# Altium PCB EDA-03518-V3-0_pcb.pcbdoc (part 8 of 14) (continued)
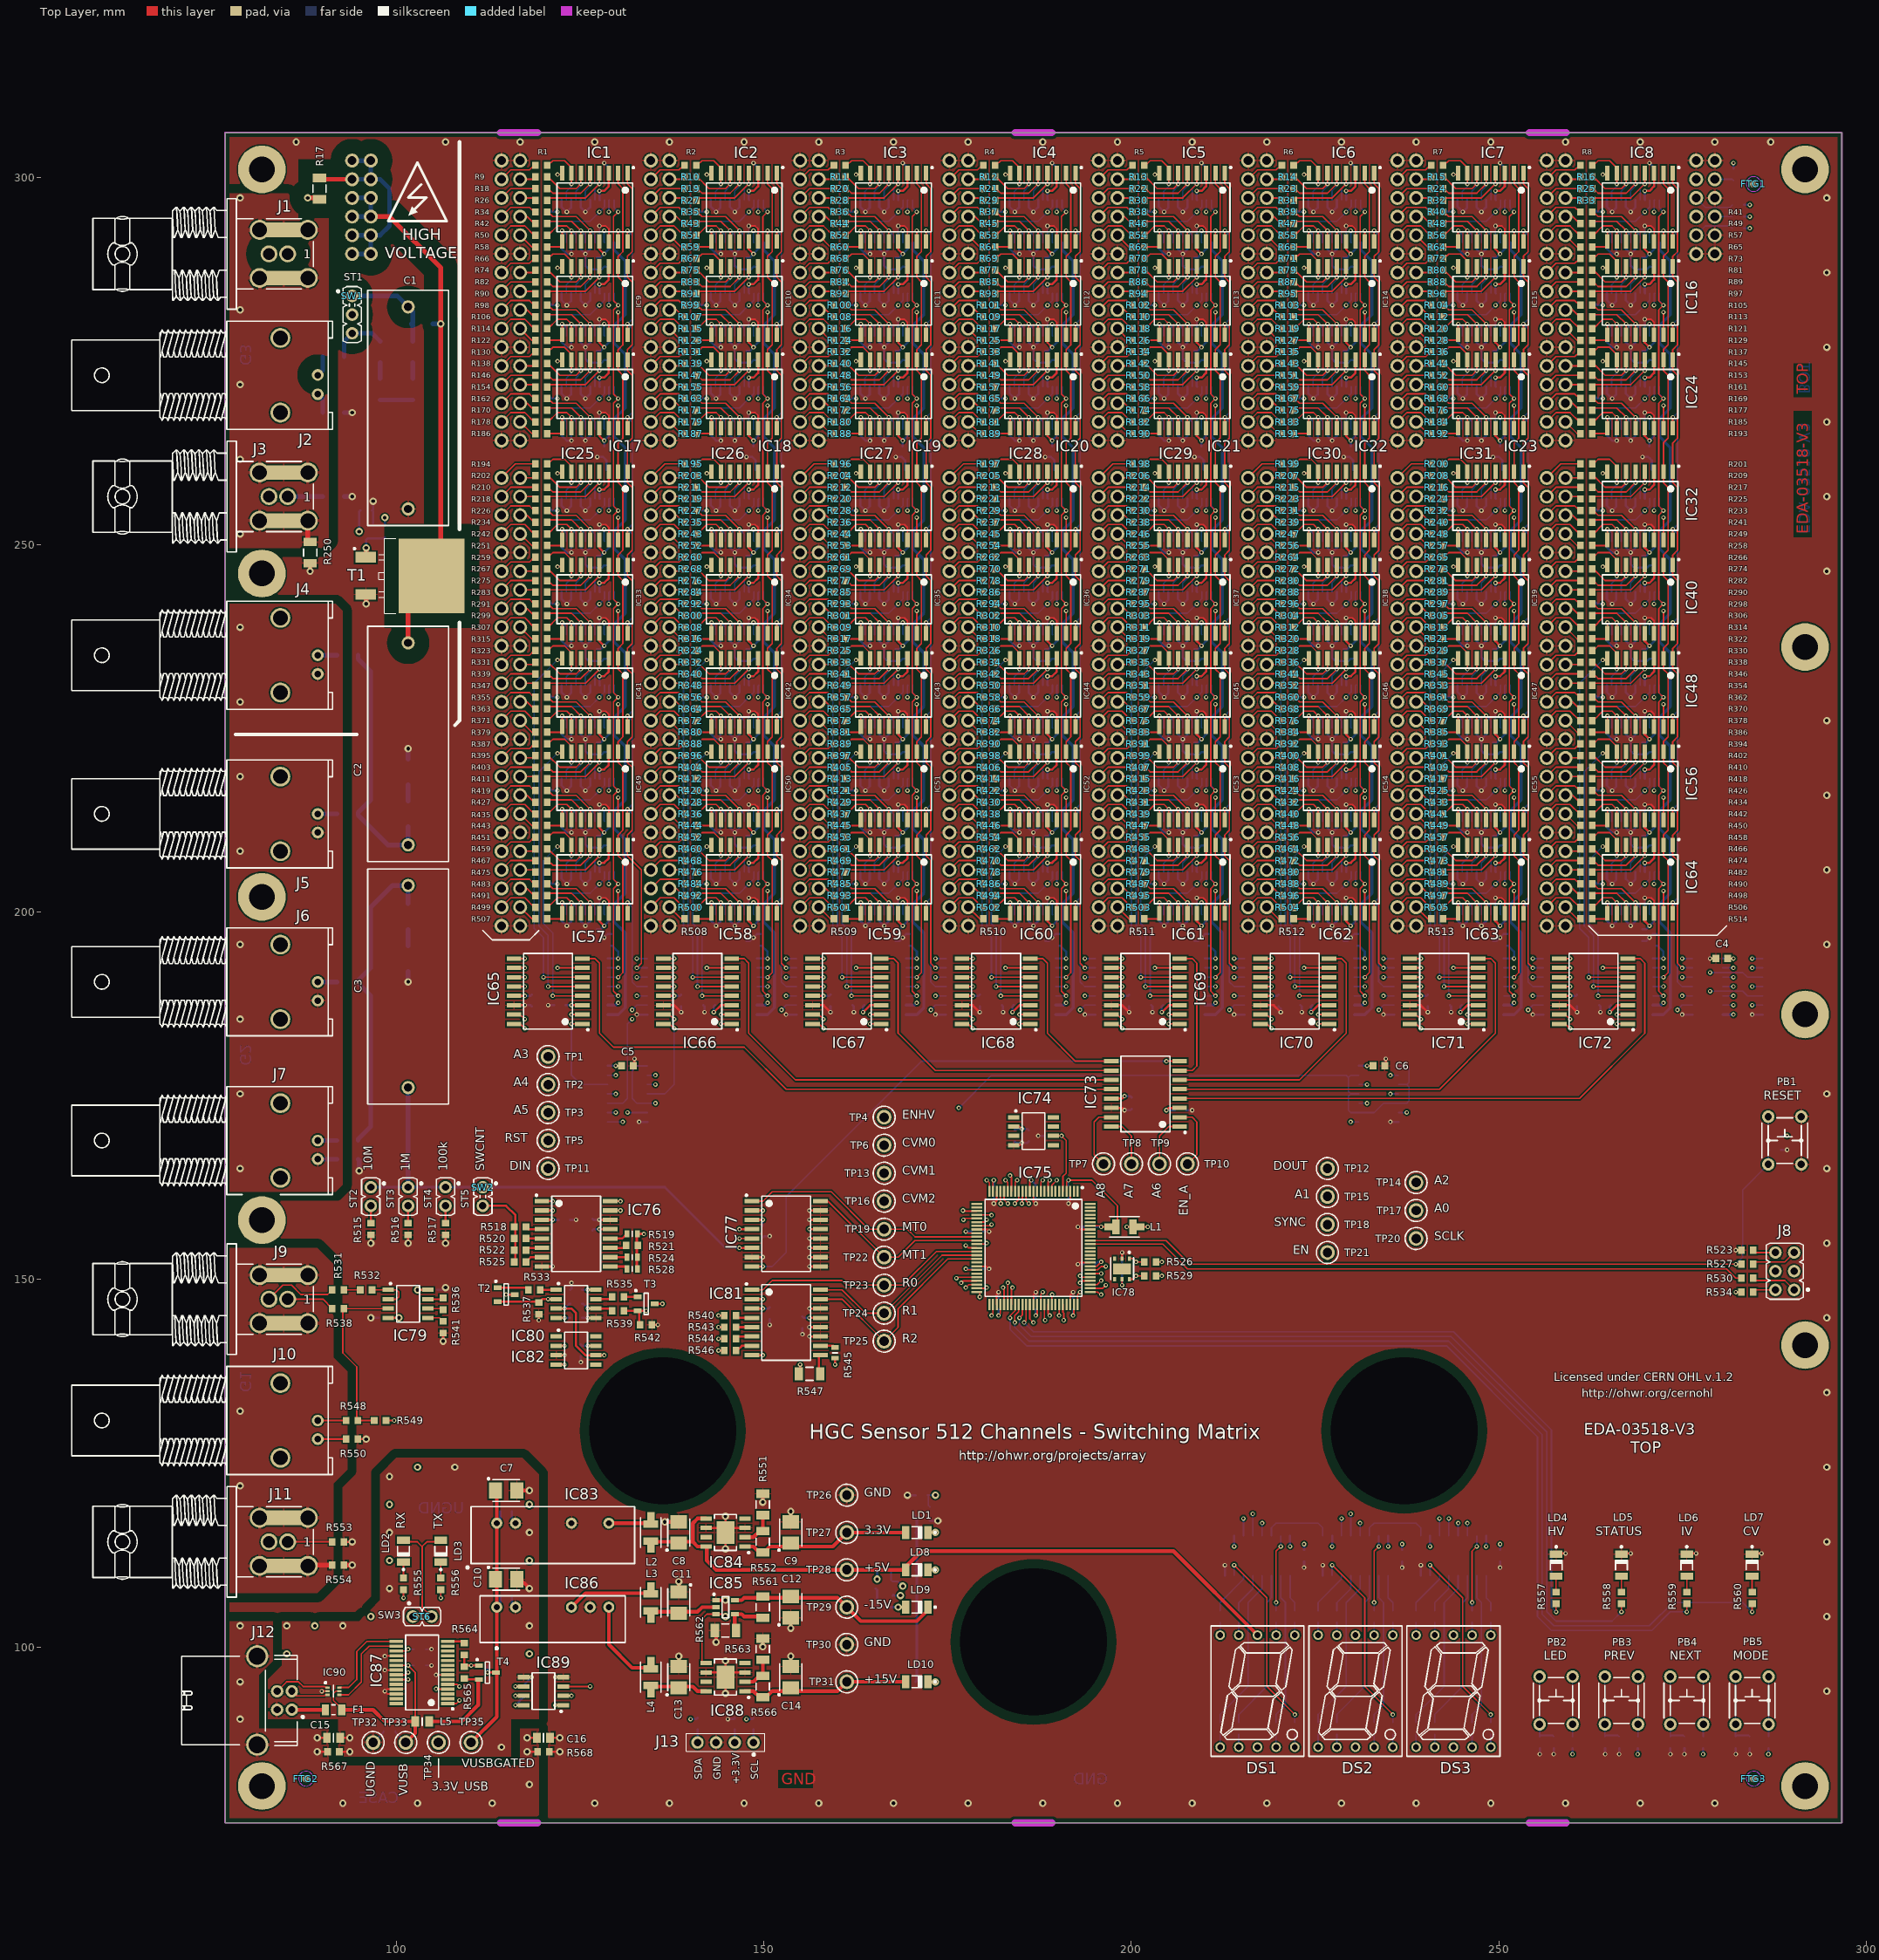
[diagram p0: Top Layer view]
## Nets (pads, with @x,y where several pads share a name; then routed paths per layer and width w, separated by ;. In a path a pad name is that pad's centre, name@x,y a point inside that pad or via, vN(x,y) a via of type N, cw(c..) or ccw(c..) an arc to the next point about the centre after c; other vN are vias at no path point) (continued)
; v1(192.722,157.162) C181.1@193.51,157.162 ; v1(193.675,186.055) IC160.7@195.105,186.055 ; C184.1@198.755,152.248 v1(198.755,153.67) ; v1(199.072,173.037) 199.873,173.037 C169.1@200.025,173.19 ; v1(199.707,186.373) C156.1@199.707,187.16 ; C164.1@202.717,187.325 202.882,187.16 v1(202.882,186.373) ; IC150.12@203.753,199.665 203.753,198.837 v1(204.47,198.12) 205.053,198.703 IC150.10@205.053,199.665 ; IC150.13@203.753,205.465 203.753,204.552 v1(204.47,203.835) 205.053,204.418 IC150.15@205.053,205.465 ; IC142.12@203.753,212.365 203.753,211.537 204.47,210.82 v1(205.105,210.82) 205.053,210.872 IC142.10@205.053,212.365 ; IC142.13@203.753,218.165 203.753,217.252 v1(204.47,216.535) 205.053,217.118 IC142.15@205.053,218.165 ; IC134.12@203.753,225.065 203.753,224.237 204.47,223.52 v1(205.105,223.52) 205.053,223.572 IC134.10@205.053,225.065 ; IC134.13@203.753,230.865 203.753,229.952 v1(204.47,229.235) 205.053,229.818 IC134.15@205.053,230.865 ; IC126.12@203.753,237.765 203.753,236.937 204.47,236.22 v1(205.105,236.22) 205.053,236.272 IC126.10@205.053,237.765 ; IC126.13@203.753,243.565 203.753,242.652 v1(204.47,241.935) 205.053,242.518 IC126.15@205.053,243.565 ; IC118.12@203.753,250.465 203.753,249.637 204.47,248.92 v1(205.105,248.92) 205.053,248.972 IC118.10@205.053,250.465 ; IC118.13@203.753,256.265 203.753,255.352 v1(204.47,254.635) 205.053,255.218 IC118.15@205.053,256.265 ; IC110.12@203.753,265.705 203.753,264.877 204.47,264.16 v1(205.105,264.16) 205.053,264.212 IC110.10@205.053,265.705 ; IC110.13@203.753,271.505 203.753,270.592 v1(204.47,269.875) 205.053,270.458 IC110.15@205.053,271.505 ; IC102.12@203.753,278.405 203.753,277.577 204.47,276.86 v1(205.105,276.86) 205.053,276.912 IC102.10@205.053,278.405 ; IC102.13@203.753,284.205 203.753,283.292 v1(204.47,282.575) 205.053,283.158 IC102.15@205.053,284.205 ; IC94.12@203.753,291.105 203.753,290.277 204.47,289.56 v1(205.105,289.56) 205.053,289.612 IC94.10@205.053,291.105 ; IC94.13@203.753,296.905 203.753,295.992 v1(204.47,295.275) 205.053,295.858 IC94.15@205.053,296.905 ; IC150.8@206.353,199.665 206.353,198.777 v1(207.01,198.12) 207.653,198.763 IC150.6@207.653,199.665 ; IC150.17@206.353,205.465 206.353,204.492 v1(207.01,203.835) 207.653,204.478 IC150.19@207.653,205.465 ; IC142.8@206.353,212.365 206.353,211.477 v1(207.01,210.82) ; IC142.17@206.353,218.165 206.353,217.192 v1(207.01,216.535) 207.653,217.178 IC142.19@207.653,218.165 ; IC134.8@206.353,225.065 206.353,224.177 v1(207.01,223.52) ; IC134.17@206.353,230.865 206.353,229.892 v1(207.01,229.235) 207.653,229.878 IC134.19@207.653,230.865 ; IC126.8@206.353,237.765 206.353,236.877 v1(207.01,236.22) ; IC126.17@206.353,243.565 206.353,242.592 v1(207.01,241.935) 207.653,242.578 IC126.19@207.653,243.565 ; IC118.8@206.353,250.465 206.353,249.577 v1(207.01,248.92) ; IC118.17@206.353,256.265 206.353,255.292 v1(207.01,254.635) 207.653,255.278 IC118.19@207.653,256.265 ; IC110.8@206.353,265.705 206.353,264.817 v1(207.01,264.16) 207.653,264.803 IC110.6@207.653,265.705 ; IC110.17@206.353,271.505 206.353,270.532 v1(207.01,269.875) 207.653,270.518 IC110.19@207.653,271.505 ; IC102.8@206.353,278.405 206.353,277.517 v1(207.01,276.86) ; IC102.17@206.353,284.205 206.353,283.232 v1(207.01,282.575) 207.653,283.218 IC102.19@207.653,284.205 ; IC94.8@206.353,291.105 206.353,290.217 v1(207.01,289.56) ; IC94.17@206.353,296.905 206.353,295.932 v1(207.01,295.275) 207.653,295.918 IC94.19@207.653,296.905 ; C170.1@207.493,173.037 v1(208.28,173.037) ; IC142.6@207.653,212.365 207.653,211.463 v1(207.01,210.82) ; IC134.6@207.653,225.065 207.653,224.163 v1(207.01,223.52) ; IC126.6@207.653,237.765 207.653,236.863 v1(207.01,236.22) ; IC118.6@207.653,250.465 207.653,249.563 v1(207.01,248.92) ; IC102.6@207.653,278.405 207.653,277.503 v1(207.01,276.86) ; IC94.6@207.653,291.105 207.653,290.203 v1(207.01,289.56) ; C140.1@208.597,196.05 209.067,196.05 v1(209.55,196.532) 210.033,197.015 C148.1@210.502,197.015 ; v1(208.597,261.938) 209.385,261.938 C60.1@209.55,261.772 209.867,261.455 209.867,260.198 C68.1@210.185,259.88 ; v1(209.55,301.942) 210.185,301.308 C20.1@210.185,300.52 ; C132.1@210.185,209.08 209.556,209.08 209.226,208.75 C124.1@208.597,208.75 207.493,208.75 207.01,209.232 v1(207.01,210.82) ; C116.1@210.185,221.78 209.556,221.78 209.226,221.45 C108.1@208.597,221.45 207.493,221.45 207.01,221.933 v1(207.01,223.52) ; C100.1@210.185,234.48 209.556,234.48 209.226,234.15 C92.1@208.597,234.15 207.493,234.15 207.01,234.632 v1(207.01,236.22) ; C84.1@210.185,247.18 209.556,247.18 209.226,246.85 C76.1@208.597,246.85 207.493,246.85 207.01,247.332 v1(207.01,248.92) ; C52.1@210.185,275.12 209.556,275.12 209.226,274.79 C44.1@208.597,274.79 207.493,274.79 207.01,275.272 v1(207.01,276.86) ; C36.1@210.185,287.82 209.556,287.82 209.226,287.49 C28.1@208.597,287.49 207.493,287.49 207.01,287.972 v1(207.01,289.56) ; IC168.8@212.725,109.695 v1(212.725,111.125) ; v1(213.995,186.055) IC159.7@215.425,186.055 ; C155.1@220.028,187.16 220.345,186.842 v1(220.345,186.373) ; C163.1@223.037,187.325 223.202,187.16 v1(223.202,186.373) ; v1(223.52,110.807) C201.1@223.52,111.595 ; IC149.12@224.073,199.665 224.073,198.837 v1(224.79,198.12) 225.373,198.703 IC149.10@225.373,199.665 ; IC149.13@224.073,205.465 224.073,204.552 v1(224.79,203.835) 225.373,204.418 IC149.15@225.373,205.465 ; IC141.12@224.073,212.365 224.073,211.537 224.79,210.82 v1(225.425,210.82) 225.373,210.872 IC141.10@225.373,212.365 ; IC141.13@224.073,218.165 224.073,217.252 v1(224.79,216.535) 225.373,217.118 IC141.15@225.373,218.165 ; IC133.12@224.073,225.065 224.073,224.237 224.79,223.52 v1(225.425,223.52) 225.373,223.572 IC133.10@225.373,225.065 ; IC133.13@224.073,230.865 224.073,229.952 v1(224.79,229.235) 225.373,229.818 IC133.15@225.373,230.865 ; IC125.12@224.073,237.765 224.073,236.937 224.79,236.22 v1(225.425,236.22) 225.373,236.272 IC125.10@225.373,237.765 ; IC125.13@224.073,243.565 224.073,242.652 v1(224.79,241.935) 225.373,242.518 IC125.15@225.373,243.565 ; IC117.12@224.073,250.465 224.073,249.637 224.79,248.92 v1(225.425,248.92) 225.373,248.972 IC117.10@225.373,250.465 ; IC117.13@224.073,256.265 224.073,255.352 v1(224.79,254.635) 225.373,255.218 IC117.15@225.373,256.265 ; IC109.12@224.073,265.705 224.073,264.877 224.79,264.16 v1(225.425,264.16) 225.373,264.212 IC109.10@225.373,265.705 ; IC109.13@224.073,271.505 224.073,270.592 v1(224.79,269.875) 225.373,270.458 IC109.15@225.373,271.505 ; IC101.12@224.073,278.405 224.073,277.577 224.79,276.86 v1(225.425,276.86) 225.373,276.912 IC101.10@225.373,278.405 ; IC101.13@224.073,284.205 224.073,283.292 v1(224.79,282.575) 225.373,283.158 IC101.15@225.373,284.205 ; IC93.12@224.073,291.105 224.073,290.277 224.79,289.56 v1(225.425,289.56) 225.373,289.612 IC93.10@225.373,291.105 ; IC93.13@224.073,296.905 224.073,295.992 v1(224.79,295.275) 225.373,295.858 IC93.15@225.373,296.905 ; IC167.8@226.06,109.695 v1(226.06,111.125) ; IC149.8@226.673,199.665 226.673,198.777 v1(227.33,198.12) 227.973,198.763 IC149.6@227.973,199.665 ; IC149.17@226.673,205.465 226.673,204.492 v1(227.33,203.835) 227.973,204.478 IC149.19@227.973,205.465 ; IC141.8@226.673,212.365 226.673,211.477 v1(227.33,210.82) ; IC141.17@226.673,218.165 226.673,217.192 v1(227.33,216.535) 227.973,217.178 IC141.19@227.973,218.165 ; IC133.8@226.673,225.065 226.673,224.177 v1(227.33,223.52) ; IC133.17@226.673,230.865 226.673,229.892 v1(227.33,229.235) 227.973,229.878 IC133.19@227.973,230.865 ; IC125.8@226.673,237.765 226.673,236.877 v1(227.33,236.22) ; IC125.17@226.673,243.565 226.673,242.592 v1(227.33,241.935) 227.973,242.578 IC125.19@227.973,243.565 ; IC117.8@226.673,250.465 226.673,249.577 v1(227.33,248.92) ; IC117.17@226.673,256.265 226.673,255.292 v1(227.33,254.635) 227.973,255.278 IC117.19@227.973,256.265 ; IC109.8@226.673,265.705 226.673,264.817 v1(227.33,264.16) 227.973,264.803 IC109.6@227.973,265.705 ; IC109.17@226.673,271.505 226.673,270.532 v1(227.33,269.875) 227.973,270.518 IC109.19@227.973,271.505 ; IC101.8@226.673,278.405 226.673,277.517 v1(227.33,276.86) ; IC101.17@226.673,284.205 226.673,283.232 v1(227.33,282.575) 227.973,283.218 IC101.19@227.973,284.205 ; IC93.8@226.673,291.105 226.673,290.217 v1(227.33,289.56) ; IC93.17@226.673,296.905 226.673,295.932 v1(227.33,295.275) 227.973,295.918 IC93.19@227.973,296.905 ; IC141.6@227.973,212.365 227.973,211.463 v1(227.33,210.82) ; IC133.6@227.973,225.065 227.973,224.163 v1(227.33,223.52) ; IC125.6@227.973,237.765 227.973,236.863 v1(227.33,236.22) ; IC117.6@227.973,250.465 227.973,249.563 v1(227.33,248.92) ; IC101.6@227.973,278.405 227.973,277.503 v1(227.33,276.86) ; IC93.6@227.973,291.105 227.973,290.203 v1(227.33,289.56) ; C139.1@228.917,196.05 229.387,196.05 v1(229.87,196.532) 230.353,197.015 C147.1@230.822,197.015 ; v1(228.917,261.938) 229.705,261.938 C59.1@229.87,261.772 230.188,261.455 230.188,260.198 C67.1@230.505,259.88 ; v1(229.87,301.942) 230.505,301.308 C19.1@230.505,300.52 ; C131.1@230.505,209.08 229.876,209.08 229.546,208.75 C123.1@228.917,208.75 227.813,208.75 227.33,209.232 v1(227.33,210.82) ; C115.1@230.505,221.78 229.876,221.78 229.546,221.45 C107.1@228.917,221.45 227.813,221.45 227.33,221.933 v1(227.33,223.52) ; C99.1@230.505,234.48 229.876,234.48 229.546,234.15 C91.1@228.917,234.15 227.813,234.15 227.33,234.632 v1(227.33,236.22) ; C83.1@230.505,247.18 229.876,247.18 229.546,246.85 C75.1@228.917,246.85 227.813,246.85 227.33,247.332 v1(227.33,248.92) ; C51.1@230.505,275.12 229.876,275.12 229.546,274.79 C43.1@228.917,274.79 227.813,274.79 227.33,275.272 v1(227.33,276.86) ; C35.1@230.505,287.82 229.876,287.82 229.546,287.49 C27.1@228.917,287.49 227.813,287.49 227.33,287.972 v1(227.33,289.56) ; v1(234.315,186.055) IC158.7@235.745,186.055 ; v1(235.267,171.45) IC164.7@236.38,171.45 ; v1(236.855,110.807) C200.1@236.855,111.595 ; IC166.8@239.395,109.695 v1(239.395,111.125) ; v1(240.347,186.373) C154.1@240.347,187.16 ; C162.1@243.357,187.325 243.522,187.16 v1(243.522,186.373) ; IC148.12@244.393,199.665 244.393,198.837 v1(245.11,198.12) 245.693,198.703 IC148.10@245.693,199.665 ; IC148.13@244.393,205.465 244.393,204.552 v1(245.11,203.835) 245.693,204.418 IC148.15@245.693,205.465 ; IC140.12@244.393,212.365 244.393,211.537 245.11,210.82 v1(245.745,210.82) 245.693,210.872 IC140.10@245.693,212.365 ; IC140.13@244.393,218.165 244.393,217.252 v1(245.11,216.535) 245.693,217.118 IC140.15@245.693,218.165 ; IC132.12@244.393,225.065 244.393,224.237 245.11,223.52 v1(245.745,223.52) 245.693,223.572 IC132.10@245.693,225.065 ; IC132.13@244.393,230.865 244.393,229.952 v1(245.11,229.235) 245.693,229.818 IC132.15@245.693,230.865 ; IC124.12@244.393,237.765 244.393,236.937 245.11,236.22 v1(245.745,236.22) 245.693,236.272 IC124.10@245.693,237.765 ; IC124.13@244.393,243.565 244.393,242.652 v1(245.11,241.935) 245.693,242.518 IC124.15@245.693,243.565 ; IC116.12@244.393,250.465 244.393,249.637 245.11,248.92 v1(245.745,248.92) 245.693,248.972 IC116.10@245.693,250.465 ; IC116.13@244.393,256.265 244.393,255.352 v1(245.11,254.635) 245.693,255.218 IC116.15@245.693,256.265 ; IC108.12@244.393,265.705 244.393,264.877 245.11,264.16 v1(245.745,264.16) 245.693,264.212 IC108.10@245.693,265.705 ; IC108.13@244.393,271.505 244.393,270.592 v1(245.11,269.875) 245.693,270.458 IC108.15@245.693,271.505 ; IC100.12@244.393,278.405 244.393,277.577 245.11,276.86 v1(245.745,276.86) 245.693,276.912 IC100.10@245.693,278.405 ; IC100.13@244.393,284.205 244.393,283.292 v1(245.11,282.575) 245.693,283.158 IC100.15@245.693,284.205 ; IC92.12@244.393,291.105 244.393,290.277 245.11,289.56 v1(245.745,289.56) 245.693,289.612 IC92.10@245.693,291.105 ; IC92.13@244.393,296.905 244.393,295.992 v1(245.11,295.275) 245.693,295.858 IC92.15@245.693,296.905 ; IC148.8@246.993,199.665 246.993,198.777 v1(247.65,198.12) 248.293,198.763 IC148.6@248.293,199.665 ; IC148.17@246.993,205.465 246.993,204.492 v1(247.65,203.835) 248.293,204.478 IC148.19@248.293,205.465 ; IC140.8@246.993,212.365 246.993,211.477 v1(247.65,210.82) ; IC140.17@246.993,218.165 246.993,217.192 v1(247.65,216.535) 248.293,217.178 IC140.19@248.293,218.165 ; IC132.8@246.993,225.065 246.993,224.177 v1(247.65,223.52) ; IC132.17@246.993,230.865 246.993,229.892 v1(247.65,229.235) 248.293,229.878 IC132.19@248.293,230.865 ; IC124.8@246.993,237.765 246.993,236.877 v1(247.65,236.22) ; IC124.17@246.993,243.565 246.993,242.592 v1(247.65,241.935) 248.293,242.578 IC124.19@248.293,243.565 ; IC116.8@246.993,250.465 246.993,249.577 v1(247.65,248.92) ; IC116.17@246.993,256.265 246.993,255.292 v1(247.65,254.635) 248.293,255.278 IC116.19@248.293,256.265 ; IC108.8@246.993,265.705 246.993,264.817 v1(247.65,264.16) 248.293,264.803 IC108.6@248.293,265.705 ; IC108.17@246.993,271.505 246.993,270.532 v1(247.65,269.875) 248.293,270.518 IC108.19@248.293,271.505 ; IC100.8@246.993,278.405 246.993,277.517 v1(247.65,276.86) ; IC100.17@246.993,284.205 246.993,283.232 v1(247.65,282.575) 248.293,283.218 IC100.19@248.293,284.205 ; IC92.8@246.993,291.105 246.993,290.217 v1(247.65,289.56) ; IC92.17@246.993,296.905 246.993,295.932 v1(247.65,295.275) 248.293,295.918 IC92.19@248.293,296.905 ; IC140.6@248.293,212.365 248.293,211.463 v1(247.65,210.82) ; IC132.6@248.293,225.065 248.293,224.163 v1(247.65,223.52) ; IC124.6@248.293,237.765 248.293,236.863 v1(247.65,236.22) ; IC116.6@248.293,250.465 248.293,249.563 v1(247.65,248.92) ; IC100.6@248.293,278.405 248.293,277.503 v1(247.65,276.86) ; IC92.6@248.293,291.105 248.293,290.203 v1(247.65,289.56) ; C138.1@249.237,196.05 249.707,196.05 v1(250.19,196.532) 250.673,197.015 C146.1@251.142,197.015 ; v1(249.237,261.938) 250.025,261.938 C58.1@250.19,261.772 250.507,261.455 250.507,260.198 C66.1@250.825,259.88 ; v1(250.19,110.807) C199.1@250.19,111.595 ; v1(250.19,301.942) 250.825,301.308 C18.1@250.825,300.52 ; C130.1@250.825,209.08 250.196,209.08 249.866,208.75 C122.1@249.237,208.75 248.133,208.75 247.65,209.232 v1(247.65,210.82) ; C114.1@250.825,221.78 250.196,221.78 249.866,221.45 C106.1@249.237,221.45 248.133,221.45 247.65,221.933 v1(247.65,223.52) ; C98.1@250.825,234.48 250.196,234.48 249.866,234.15 C90.1@249.237,234.15 248.133,234.15 247.65,234.632 v1(247.65,236.22) ; C82.1@250.825,247.18 250.196,247.18 249.866,246.85 C74.1@249.237,246.85 248.133,246.85 247.65,247.332 v1(247.65,248.92) ; C50.1@250.825,275.12 250.196,275.12 249.866,274.79 C42.1@249.237,274.79 248.133,274.79 247.65,275.272 v1(247.65,276.86) ; C34.1@250.825,287.82 250.196,287.82 249.866,287.49 C26.1@249.237,287.49 248.133,287.49 247.65,287.972 v1(247.65,289.56) ; v1(254.635,186.055) IC157.7@256.065,186.055 ; v1(255.587,85.407) R693.1@255.587,86.195 ; v1(257.493,85.407) C213.1@257.493,86.195 ; v1(260.667,186.373) C153.1@260.667,187.16 ; C161.1@263.677,187.325 263.842,187.16 v1(263.842,186.373) ; v1(264.477,85.407) R691.1@264.477,86.195 ; IC147.12@264.713,199.665 264.713,198.837 v1(265.43,198.12) 266.013,198.703 IC147.10@266.013,199.665 ; IC147.13@264.713,205.465 264.713,204.552 v1(265.43,203.835) 266.013,204.418 IC147.15@266.013,205.465 ; IC139.12@264.713,212.365 264.713,211.537 265.43,210.82 v1(266.065,210.82) 266.013,210.872 IC139.10@266.013,212.365 ; IC139.13@264.713,218.165 264.713,217.252 v1(265.43,216.535) 266.013,217.118 IC139.15@266.013,218.165 ; IC131.12@264.713,225.065 264.713,224.237 265.43,223.52 v1(266.065,223.52) 266.013,223.572 IC131.10@266.013,225.065 ; IC131.13@264.713,230.865 264.713,229.952 v1(265.43,229.235) 266.013,229.818 IC131.15@266.013,230.865 ; IC123.12@264.713,237.765 264.713,236.937 265.43,236.22 v1(266.065,236.22) 266.013,236.272 IC123.10@266.013,237.765 ; IC123.13@264.713,243.565 264.713,242.652 v1(265.43,241.935) 266.013,242.518 IC123.15@266.013,243.565 ; IC115.12@264.713,250.465 264.713,249.637 265.43,248.92 v1(266.065,248.92) 266.013,248.972 IC115.10@266.013,250.465 ; IC115.13@264.713,256.265 264.713,255.352 v1(265.43,254.635) 266.013,255.218 IC115.15@266.013,256.265 ; IC107.12@264.713,265.705 264.713,264.877 265.43,264.16 v1(266.065,264.16) 266.013,264.212 IC107.10@266.013,265.705 ; IC107.13@264.713,271.505 264.713,270.592 v1(265.43,269.875) 266.013,270.458 IC107.15@266.013,271.505 ; IC99.12@264.713,278.405 264.713,277.577 265.43,276.86 v1(266.065,276.86) 266.013,276.912 IC99.10@266.013,278.405 ; IC99.13@264.713,284.205 264.713,283.292 v1(265.43,282.575) 266.013,283.158 IC99.15@266.013,284.205 ; IC91.12@264.713,291.105 264.713,290.277 265.43,289.56 v1(266.065,289.56) 266.013,289.612 IC91.10@266.013,291.105 ; IC91.13@264.713,296.905 264.713,295.992 v1(265.43,295.275) 266.013,295.858 IC91.15@266.013,296.905 ; v1(266.382,85.407) C212.1@266.382,86.195 ; IC147.8@267.313,199.665 267.313,198.777 v1(267.97,198.12) 268.613,198.763 IC147.6@268.613,199.665 ; IC147.17@267.313,205.465 267.313,204.492 v1(267.97,203.835) 268.613,204.478 IC147.19@268.613,205.465 ; IC139.8@267.313,212.365 267.313,211.477 v1(267.97,210.82) ; IC139.17@267.313,218.165 267.313,217.192 v1(267.97,216.535) 268.613,217.178 IC139.19@268.613,218.165 ; IC131.8@267.313,225.065 267.313,224.177 v1(267.97,223.52) ; IC131.17@267.313,230.865 267.313,229.892 v1(267.97,229.235) 268.613,229.878 IC131.19@268.613,230.865 ; IC123.8@267.313,237.765 267.313,236.877 v1(267.97,236.22) ; IC123.17@267.313,243.565 267.313,242.592 v1(267.97,241.935) 268.613,242.578 IC123.19@268.613,243.565 ; IC115.8@267.313,250.465 267.313,249.577 v1(267.97,248.92) ; IC115.17@267.313,256.265 267.313,255.292 v1(267.97,254.635) 268.613,255.278 IC115.19@268.613,256.265 ; IC107.8@267.313,265.705 267.313,264.817 v1(267.97,264.16) 268.613,264.803 IC107.6@268.613,265.705 ; IC107.17@267.313,271.505 267.313,270.532 v1(267.97,269.875) 268.613,270.518 IC107.19@268.613,271.505 ; IC99.8@267.313,278.405 267.313,277.517 v1(267.97,276.86) ; IC99.17@267.313,284.205 267.313,283.232 v1(267.97,282.575) 268.613,283.218 IC99.19@268.613,284.205 ; IC91.8@267.313,291.105 267.313,290.217 v1(267.97,289.56) ; IC91.17@267.313,296.905 267.313,295.932 v1(267.97,295.275) 268.613,295.918 IC91.19@268.613,296.905 ; IC139.6@268.613,212.365 268.613,211.463 v1(267.97,210.82) ; IC131.6@268.613,225.065 268.613,224.163 v1(267.97,223.52) ; IC123.6@268.613,237.765 268.613,236.863 v1(267.97,236.22) ; IC115.6@268.613,250.465 268.613,249.563 v1(267.97,248.92) ; IC99.6@268.613,278.405 268.613,277.503 v1(267.97,276.86) ; IC91.6@268.613,291.105 268.613,290.203 v1(267.97,289.56) ; C137.1@269.558,196.05 270.027,196.05 v1(270.51,196.532) 270.993,197.015 C145.1@271.462,197.015 ; v1(269.558,261.938) 270.345,261.938 C57.1@270.51,261.772 270.827,261.455 270.827,260.198 C65.1@271.145,259.88 ; v1(270.51,301.942) 271.145,301.308 C17.1@271.145,300.52 ; C129.1@271.145,209.08 270.516,209.08 270.186,208.75 C121.1@269.558,208.75 268.453,208.75 267.97,209.232 v1(267.97,210.82) ; C113.1@271.145,221.78 270.516,221.78 270.186,221.45 C105.1@269.558,221.45 268.453,221.45 267.97,221.933 v1(267.97,223.52) ; C97.1@271.145,234.48 270.516,234.48 270.186,234.15 C89.1@269.558,234.15 268.453,234.15 267.97,234.632 v1(267.97,236.22) ; C81.1@271.145,247.18 270.516,247.18 270.186,246.85 C73.1@269.558,246.85 268.453,246.85 267.97,247.332 v1(267.97,248.92) ; C49.1@271.145,275.12 270.516,275.12 270.186,274.79 C41.1@269.558,274.79 268.453,274.79 267.97,275.272 v1(267.97,276.86) ; C33.1@271.145,287.82 270.516,287.82 270.186,287.49 C25.1@269.558,287.49 268.453,287.49 267.97,287.972 v1(267.97,289.56) ; v1(273.368,85.407) R689.1@273.368,86.195 ; v1(274.955,186.055) IC156.7@276.385,186.055 ; v1(275.272,85.407) C211.1@275.272,86.195 ; v1(282.257,85.407) R687.1@282.257,86.195 ; v1(284.162,85.407) C210.1@284.162,86.195 ; v1(284.48,186.055) IC155.7@285.91,186.055 ; C174.1@288.455,167.64 v1(289.243,167.64)
  Bottom Layer w0.635: R604.1@92.89,256.54 v2(93.98,256.54) ; R603.1@92.89,267.97 v2(93.98,267.97) ; R652.1@94.795,166.37 94.932,166.232 v2(94.932,164.782) ; v2(101.6,190.5) D4.2@101.6,191.925 ; D1.2@101.6,220.825 v2(101.6,222.25)
  other v2: 127,78.74 137.16,78.74 147.32,78.74 157.48,78.74 167.64,78.74 177.8,78.74 187.96,78.74 198.12,78.74 208.28,78.74 218.44,78.74 228.6,78.74 238.76,78.74 248.92,78.74 259.08,78.74 269.24,78.74 279.4,78.74 294.64,93.98 294.64,104.14 294.64,114.3 294.64,124.46 294.64,134.62 294.64,144.78 294.64,154.94 294.64,165.1 294.64,175.26 294.64,195.58 294.64,205.74 294.64,215.9 294.64,226.06 294.64,246.38 294.64,256.54 294.64,266.7 294.64,276.86 294.64,287.02 294.64,297.18 86.36,304.8 106.68,304.8 116.84,304.8 127,304.8 137.16,304.8 147.32,304.8 157.48,304.8 167.64,304.8 177.8,304.8 187.96,304.8 198.12,304.8 208.28,304.8 218.44,304.8 228.6,304.8 238.76,304.8 248.92,304.8 259.08,304.8 269.24,304.8 279.4,304.8 287.02,304.8
HV: C2.1 J23.5 J23.6 J23.7 J23.8 R589.1 T1.3 | length 74
  Top Layer w0.635: J23.5@96.52,294.64 99.06,294.64 106.045,287.655 v2(106.045,280.035) 106.045,246.99 T1.3@104.8,245.745 101.6,242.545 C2.1@101.6,236.635
  Bottom Layer w0.635: J23.6@93.98,294.64 J23.5@96.52,294.64 J23.7@96.52,297.18 J23.8@93.98,297.18 ; R589.1@104.955,280.035 v2(106.045,280.035)
HVSH: J23.1 J23.2 J23.3 J23.4 J23.9 J23.10 J23.11 J23.12 R17.1 | length 31
  Top Layer w0.635: R17.1@89.535,299.9 89.715,299.72 J23.10@93.98,299.72
  Bottom Layer w0.635: J23.2@93.98,289.56 J23.1@96.52,289.56 J23.3@96.52,292.1 ; J23.4@93.98,292.1 J23.3@96.52,292.1 ; J23.10@93.98,299.72 J23.9@96.52,299.72 ; J23.12@93.98,302.26 J23.11@96.52,302.26 J23.9@96.52,299.72 ; J23.3@96.52,292.1 97.79,292.1 99.06,293.37 99.06,298.45 97.79,299.72 J23.9@96.52,299.72
NetC1_2: C1.2 R589.2 R590.1 ST1.1 SW1.1 | length 13.3
  Bottom Layer w0.635: ST1.1@93.98,283.845 100.11,283.845 C1.2@101.6,282.355 102.235,281.72 102.235,280.215 R589.2@102.055,280.035 102.235,279.855 R590.1@102.235,277.675
NetC2_2: C2.2 D2.2 R623.1 R640.1 | length 34.2
  Bottom Layer w0.635: R623.1@94.795,234.95 94.795,234.453 96.52,232.727 96.52,215.265 94.795,213.54 R640.1@94.795,213.36 94.795,213.18 98.84,209.135 C2.2@101.6,209.135 D2.2@101.6,211.61
NetC3_1: C3.1 IC77.6 ST2.1 ST3.1 ST4.1 ST5.1 SW2.1 | length 68.8
  Top Layer w0.305: v1(146.685,154.305) IC77.6@148.385,154.305
  Bottom Layer w0.305: ST2.1@96.52,162.56 ST3.1@101.6,162.56 ST4.1@106.68,162.56 ST5.1@111.76,162.56 136.525,162.56 144.78,154.305 v1(146.685,154.305)
  Bottom Layer w0.635: ST3.1@101.6,162.56 C3.1@101.6,176.115
NetC3_2: C3.2 D3.2 R649.1 R651.1 | length 42.7
  Bottom Layer w0.635: R651.1@94.795,168.91 94.795,169.09 96.52,170.815 96.52,188.595 94.795,190.32 R649.1@94.795,190.5 94.795,190.68 96.52,192.405 96.52,200.66 99.475,203.615 C3.2@101.6,203.615 D3.2@101.6,201.14
NetC11_2: C11.2 IC85.2 L3.2 | length 10.4
  Top Layer w0.508: L3.2@134.62,103.845 L3.2@134.62,104.895 134.74,104.775 138.25,104.775 C11.2@138.43,104.595 138.61,104.775 140.97,104.775 141.605,105.41 IC85.2@143.48,105.41
NetC13_1: C13.1 IC88.8 L4.2 | length 9
  Top Layer w0.508: L4.2@134.62,93.685 L4.2@134.62,94.735 134.74,94.615 138.25,94.615 C13.1@138.43,94.435 138.61,94.615 140.335,94.615 140.97,93.98 IC88.8@142.13,93.98
NetC175_2: C175.2 C181.2 IC75.4 IC75.94 L1.2 | length 17.8
  Top Layer w0.203: IC75.4@191.19,162.005 191.19,163.25 v1(191.452,163.512) 194.627,163.512 198.12,160.02 198.12,157.36 L1.2@197.922,157.162 v1(195.897,157.162) 195.755,157.305 IC75.94@194.39,157.305
  Bottom Layer w0.203: C175.2@191.452,162.725 v1(191.452,163.512) ; C181.2@195.11,157.162 v1(195.897,157.162)
NetC204_1: C204.1 R564.2 R565.1 T4.1 | length 4.4
  Top Layer w0.305: R564.2@109.22,98.895 R565.1@109.22,97.32 109.37,97.47 T4.1@111.245,97.47
  Bottom Layer w0.305: v1(110.172,97.472) C204.1@110.96,97.472
NetC210_2: C210.2 IC75.68 PB5.3 PB5.4 R687.2 | length 143.8
  Top Layer w0.203: IC75.68@189.19,146.605 189.19,147.915 v1(189.23,147.955)
  L6 w0.203: v1(189.23,147.955) 189.547,147.637 189.547,144.463 190.817,143.192 243.205,143.192 254.635,131.762 254.635,104.775 260.985,98.425 279.765,98.425 PB5.3@282.23,95.96
  Bottom Layer w0.203: PB5.3@282.23,95.96 PB5.4@282.23,89.46 282.23,87.823 282.355,87.947 284.01,87.947 C210.2@284.162,87.795
NetC211_2: C211.2 IC75.65 PB4.3 PB4.4 R689.2 | length 145.5
  Top Layer w0.203: IC75.65@187.69,146.605 187.69,148.003 v1(187.96,148.273)
  L6 w0.203: v1(187.96,148.273) 187.642,147.955 187.642,143.51 189.865,141.287 242.252,141.287 252.73,130.81 252.73,94.932 254.317,93.345 270.725,93.345 PB4.3@273.34,95.96
  Bottom Layer w0.203: PB4.3@273.34,95.96 PB4.4@273.34,89.46 273.34,87.823 R689.2@273.368,87.795 273.52,87.947 275.12,87.947 C211.2@275.272,87.795
NetC212_2: C212.2 IC75.66 PB3.3 PB3.4 R691.2 | length 131.7
  Top Layer w0.203: IC75.66@188.19,146.605 188.19,144.55 v1(188.278,144.463)
  L6 w0.203: v1(188.278,144.463) 188.278,143.827 190.183,141.922 242.57,141.922 253.365,131.127 253.365,95.25 254.635,93.98 262.47,93.98 PB3.3@264.45,95.96
  Bottom Layer w0.203: PB3.3@264.45,95.96 PB3.4@264.45,89.46 264.45,87.823 R691.2@264.477,87.795 264.63,87.947 266.23,87.947 C212.2@266.382,87.795
NetC213_2: C213.2 IC75.67 PB2.3 PB2.4 R693.2 | length 119.2
  Top Layer w0.203: IC75.67@188.69,146.605 188.69,145.32 v1(188.912,145.097)
  L6 w0.203: v1(188.912,145.097) 188.912,144.145 190.5,142.558 242.887,142.558 254,131.445 254,97.52 PB2.3@255.56,95.96
  Bottom Layer w0.203: PB2.3@255.56,95.96 PB2.4@255.56,89.46 255.56,87.823 R693.2@255.587,87.795 255.74,87.947 257.34,87.947 C213.2@257.493,87.795
NetD1_1: D1.1 D2.1 | length 2.2
  Bottom Layer w0.635: D2.1@101.6,215.11 D1.1@101.6,217.325
NetD3_1: D3.1 D4.1 | length 2.2
  Bottom Layer w0.635: D4.1@101.6,195.425 D3.1@101.6,197.64
NetDS1_1: DS1.1 R685.2 | length 1.7
  Bottom Layer w0.203: DS1.1@212.09,86.36 R685.2@212.09,88.1
NetDS1_2: DS1.2 R684.2 | length 1.7
  Bottom Layer w0.203: DS1.2@214.63,86.36 R684.2@214.63,88.1
NetDS1_4: DS1.4 R683.2 | length 1.7
  Bottom Layer w0.203: DS1.4@219.71,86.36 R683.2@219.71,88.1
NetDS1_5: DS1.5 R682.2 | length 1.7
  Bottom Layer w0.203: DS1.5@222.25,86.36 R682.2@222.25,88.1
NetDS1_6: DS1.6 R667.2 | length 1.7
  Bottom Layer w0.203: DS1.6@222.25,101.6 R667.2@222.25,103.34
NetDS1_7: DS1.7 R668.2 | length 1.7
  Bottom Layer w0.203: DS1.7@219.71,101.6 R668.2@219.71,103.34
NetDS1_9: DS1.9 R669.2 | length 1.7
  Bottom Layer w0.203: DS1.9@214.63,101.6 R669.2@214.63,103.34
NetDS1_10: DS1.10 R670.2 | length 1.7
  Bottom Layer w0.203: DS1.10@212.09,101.6 R670.2@212.09,103.34
NetDS2_1: DS2.1 R681.2 | length 1.7
  Bottom Layer w0.203: DS2.1@225.425,86.36 R681.2@225.425,88.1
NetDS2_2: DS2.2 R680.2 | length 1.7
  Bottom Layer w0.203: DS2.2@227.965,86.36 R680.2@227.965,88.1
NetDS2_4: DS2.4 R679.2 | length 1.7
  Bottom Layer w0.203: DS2.4@233.045,86.36 R679.2@233.045,88.1
NetDS2_5: DS2.5 R678.2 | length 1.7
  Bottom Layer w0.203: DS2.5@235.585,86.36 R678.2@235.585,88.1
NetDS2_6: DS2.6 R663.2 | length 1.7
  Bottom Layer w0.203: DS2.6@235.585,101.6 R663.2@235.585,103.34
NetDS2_7: DS2.7 R664.2 | length 1.7
  Bottom Layer w0.203: DS2.7@233.045,101.6 R664.2@233.045,103.34
NetDS2_9: DS2.9 R665.2 | length 1.7
  Bottom Layer w0.203: DS2.9@227.965,101.6 R665.2@227.965,103.34
NetDS2_10: DS2.10 R666.2 | length 1.7
  Bottom Layer w0.203: DS2.10@225.425,101.6 R666.2@225.425,103.34
NetDS3_1: DS3.1 R677.2 | length 1.7
  Bottom Layer w0.203: DS3.1@238.76,86.36 R677.2@238.76,88.1
NetDS3_2: DS3.2 R676.2 | length 1.7
  Bottom Layer w0.203: DS3.2@241.3,86.36 R676.2@241.3,88.1
NetDS3_4: DS3.4 R675.2 | length 1.7
  Bottom Layer w0.203: DS3.4@246.38,86.36 R675.2@246.38,88.1
NetDS3_5: DS3.5 R674.2 | length 1.7
  Bottom Layer w0.203: DS3.5@248.92,86.36 R674.2@248.92,88.1
NetDS3_6: DS3.6 R659.2 | length 1.7
  Bottom Layer w0.203: DS3.6@248.92,101.6 R659.2@248.92,103.34
NetDS3_7: DS3.7 R660.2 | length 1.7
  Bottom Layer w0.203: DS3.7@246.38,101.6 R660.2@246.38,103.34
NetDS3_9: DS3.9 R661.2 | length 1.7
  Bottom Layer w0.203: DS3.9@241.3,101.6 R661.2@241.3,103.34
NetDS3_10: DS3.10 R662.2 | length 1.7
  Bottom Layer w0.203: DS3.10@238.76,101.6 R662.2@238.76,103.34
NetF1_1: F1.1 J12.1 | length 4.6
  Top Layer w0.508: J12.1@85.773,91.46 85.793,91.44 F1.1@90.34,91.44
NetIC1_4: IC1.4 IC98.20 R26.2 | length 12
  Top Layer w0.203: R26.2@120.498,296.863 120.815,297.18 125.73,297.18 v1(127.635,299.085) IC1.4@127.635,300.56
  Bottom Layer w0.203: IC98.20@127.022,296.905 127.022,298.472 v1(127.635,299.085)
NetIC1_5: IC1.5 IC98.18 R18.2 | length 10.6
  Top Layer w0.203: R18.2@120.498,298.45 120.65,298.45 121.285,297.815 125.095,297.815 v1(126.365,299.085) IC1.5@126.365,300.56
  Bottom Layer w0.203: IC98.18@125.722,296.905 125.722,298.125 126.365,298.767 v1(126.365,299.085)
NetIC1_6: IC1.6 IC98.16 R9.2 | length 9.5
  Top Layer w0.203: R9.2@120.498,300.037 120.65,300.037 122.237,298.45 124.46,298.45 v1(125.095,299.085) IC1.6@125.095,300.56
  Bottom Layer w0.203: IC98.16@124.422,296.905 124.422,298.095 125.095,298.767 v1(125.095,299.085)